# Altium PCB 400501.PcbDoc (part 2 of 4) (continued)
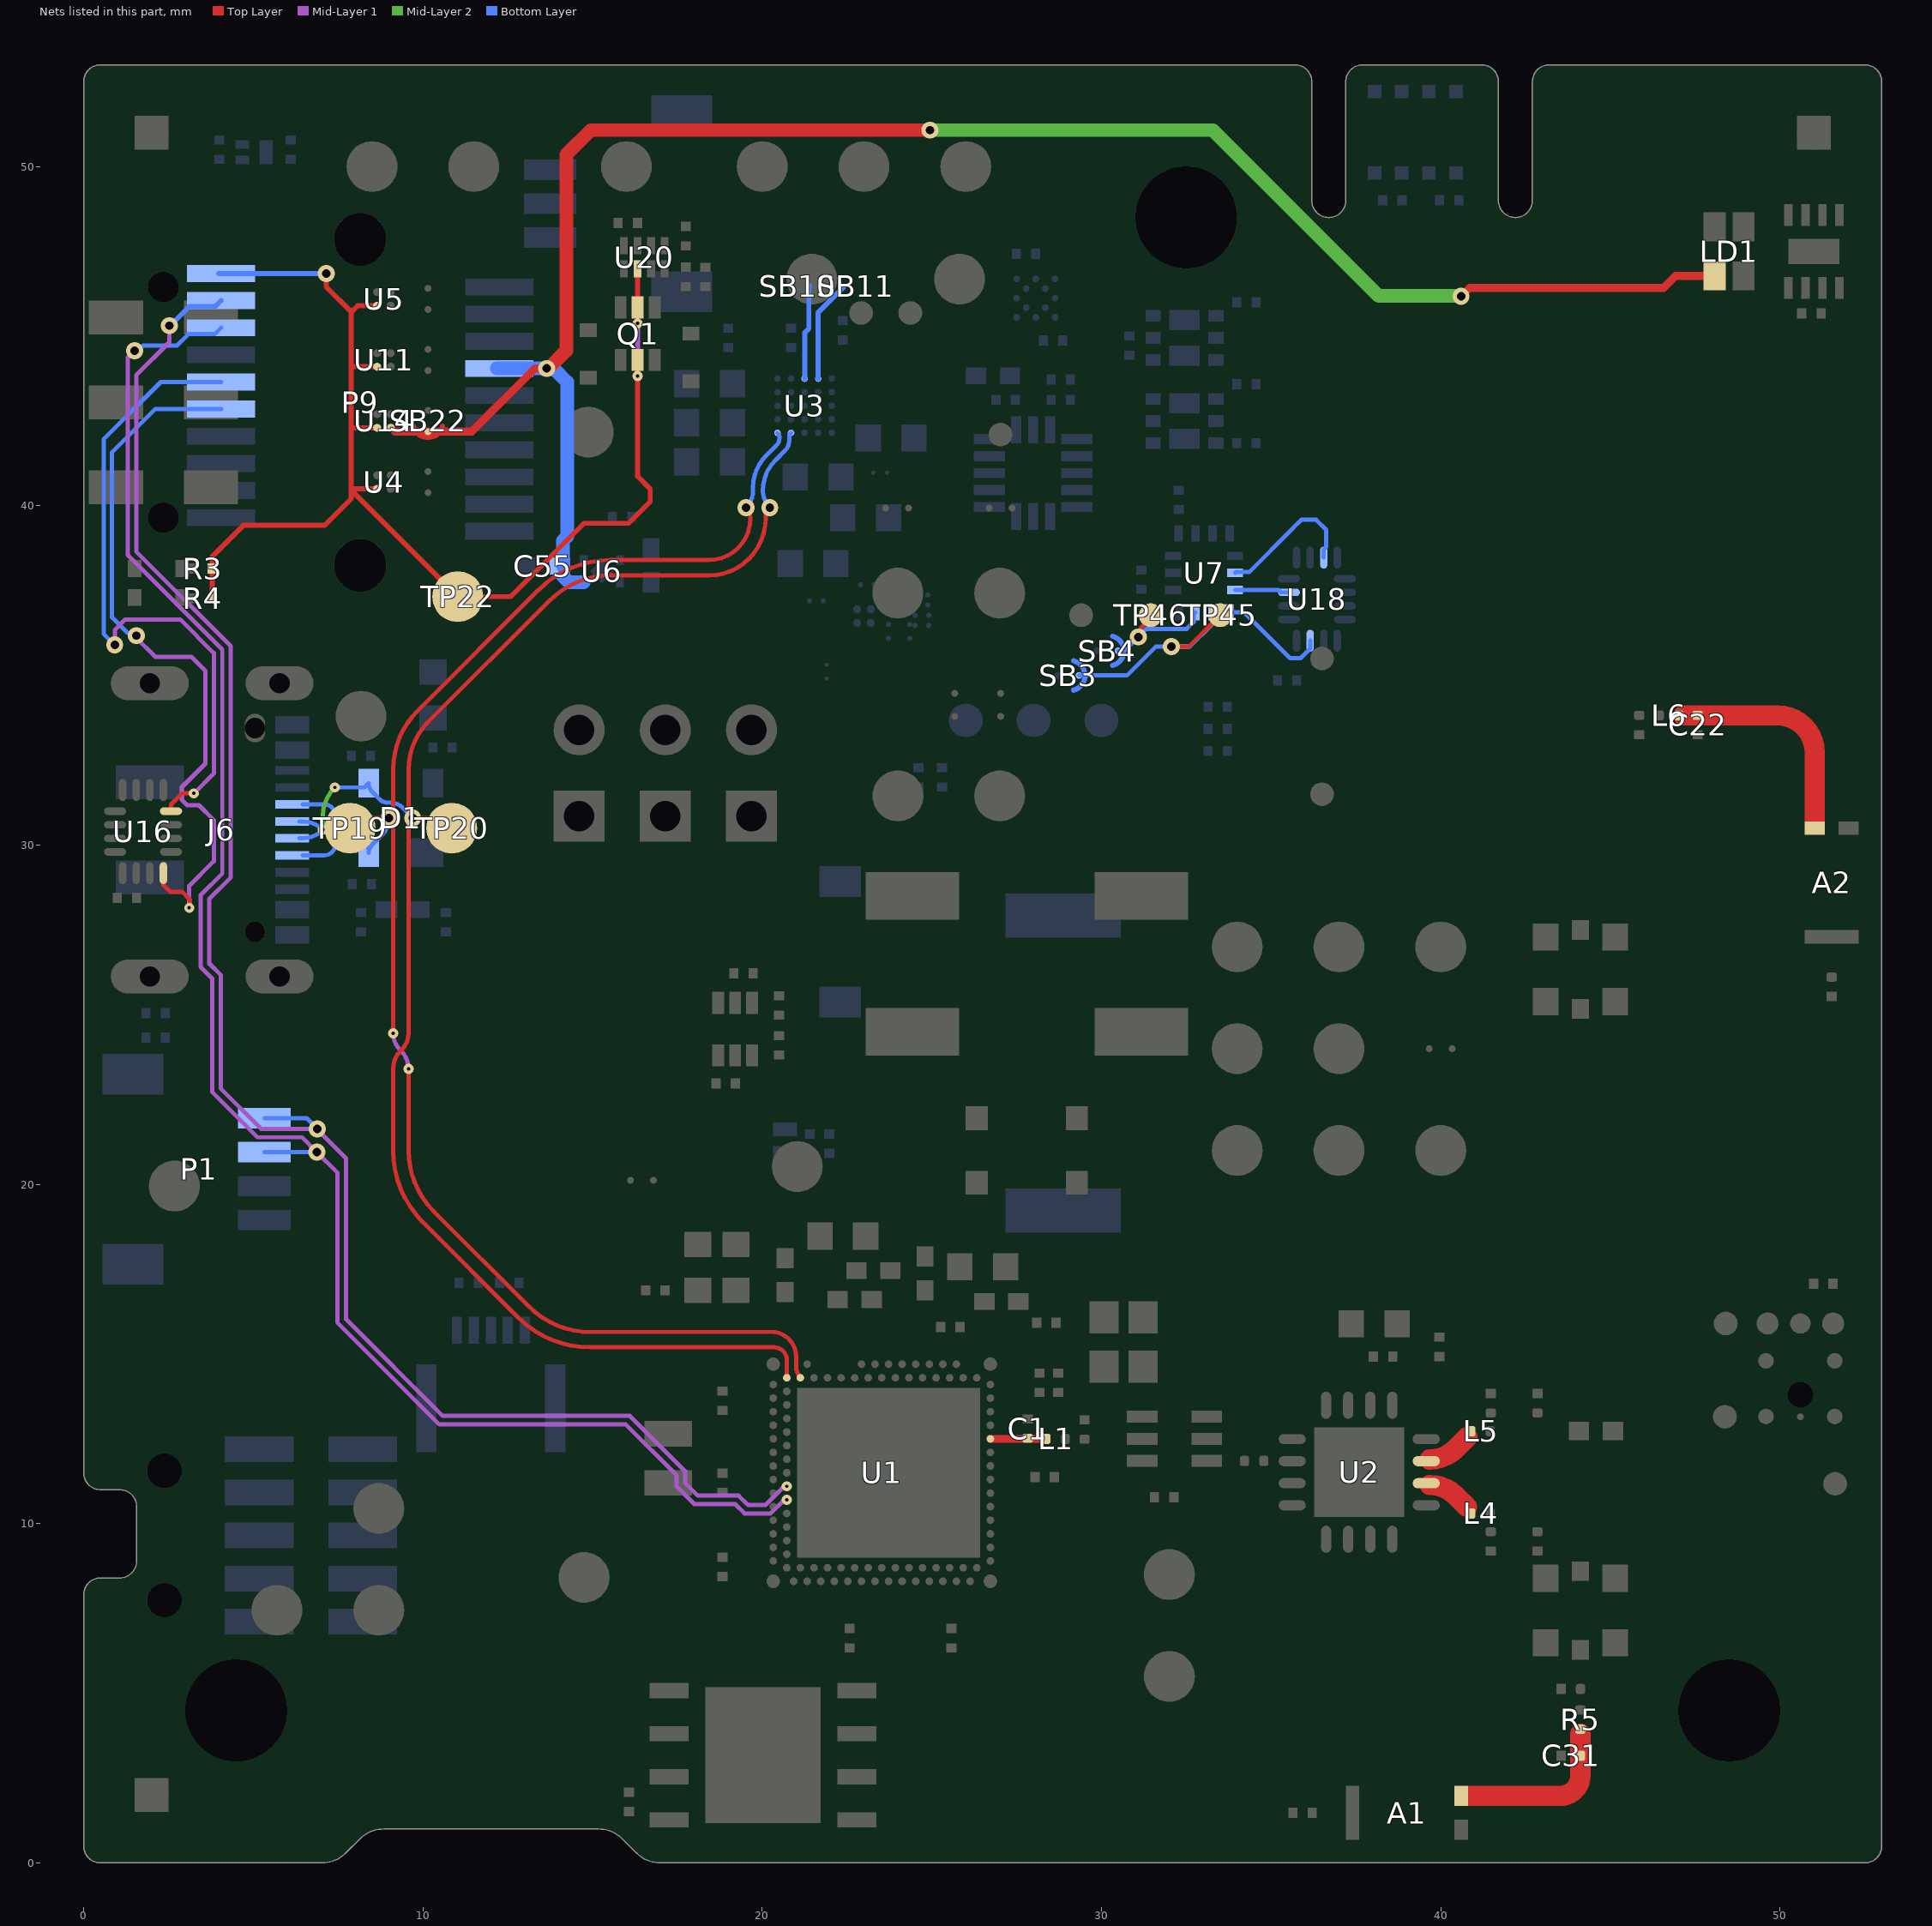
[diagram p4: the nets of this part, all layers, seen from the top]
## Part data (continued)
FB1: library part FB0402-120R@100M-500mA, "Ferrite Bead, 120 Ohm @ 100MHz, 500mA, 250 mOhm Max", Manufacturer=Murata, Manufacturer Part Number=BLM15AG121SN1D, Part number IPS=00000009954, Part number NEMS=100300099, Part number Norautron=265230631, Supplier Part Number 1=490-1005-1-ND, Artikkelnr Noca=33029317, Author=rsk, Component Class=Inductors, Component Status=Active, ComponentLink1Description=Datasheet, ComponentLink1URL=N.A., ComponentLink2Description="Supplier link", ComponentLink2URL=N.A., Footprint Doc=0402, HelpURL=http://search.murata.co.jp/Ceramy/image/img/PDF/ENG/L0110S0100BLM15A_SN.pdf, LatestRevisionDate=2014-01-10, Note="Chip EMIFIL Inductor Type Chip Ferrite Bead", Pad Count=2, Part Number=FB0402-120R@100M-500mA, PartId=100300099, Published=2011-11-14, Supplier 1=Digi-Key, Supplier 2=Farnell, Supplier Part Number 2=151-5760
Fid1 Fid2 Fid3: library part Fid-Mark-Round-Square, "Fiducial Mark", Manufacturer=N.A., Part number NEMS=100500075, Artikkelnr Noca=N.A., Author=rsk, Component Class=Connectors, Component Status=Active, ComponentLink1Description=Datasheet, ComponentLink1URL=N.A., ComponentLink2Description="Supplier link", ComponentLink2URL=N.A., Footprint Doc=Fiducial, HelpURL=N.A., LatestRevisionDate=2017-01-30, Manufacturer Part Number=N.A., Note=N.A., Pad Count=1, Part Number=Fid-Mark-Round-Square, Part number IPS=N.A., Part number Norautron=N.A., PartId=100500075, Published=2009-12-12, Supplier 1=N.A., Supplier 2=N.A., Supplier Part Number 1=N.A., Supplier Part Number 2=N.A., System=Connector
H1 H2 H3: library part Hole_3MM_NP, "Regular Non-Plated, 3mm hole", Manufacturer="Nordic Semiconductor", Manufacturer Part Number=N.A., Part number NEMS=100500145, Artikkelnr Noca=N.A., Author=rsk, Component Class=Connectors, Component Status=Active, ComponentLink1Description=Datasheet, ComponentLink1URL=N.A., ComponentLink2Description="Supplier link", ComponentLink2URL=N.A., Footprint Doc=Hole_3MM_NP, HelpURL=N.A., LatestRevisionDate=2009-12-12, Note="Regular Non-Plated, 3mm hole", Pad Count=1, Part Number=Hole_3MM_NP, Part number IPS=N.A., Part number Norautron=N.A., PartId=100500145, Published=2009-12-12, Supplier 1=N.A., Supplier 2=N.A., Supplier Part Number 1=N.A., Supplier Part Number 2=N.A., System=Connector
J1 J2: "Coaxial Connector with Switch", Manufacturer=Murata, Part number IPS=00000009955, Part number NEMS=100500400, Part number Norautron=26030338, Supplier Part Number 1=490-4981-1-ND, Artikkelnr Noca=55029011, Author=rsk, Component Class=Connectors, Component Status=Active, ComponentLink1Description=Datasheet, ComponentLink1URL=N.A., ComponentLink2Description="Supplier link", ComponentLink2URL=N.A., Footprint Doc=COAXIAL-SWF, HelpURL=http://www.murata.com/products/catalog/pdf/o33e.pdf, LatestRevisionDate=2014-04-24, Manufacturer Part Number=MM8130-2600, Note=N.A., Pad Count=3, Part Number=MM8130-2600, PartId=100500400, Published=2014-04-24, Supplier 1=Digi-Key, Supplier 2=Mouser, Supplier Part Number 2=81-MM8130-2600RA2, System=Connector
J3: library part SM03B-SRSS-TB, "1.0mm pitch connector side entry SMD", Manufacturer="JST Sales America Inc.", Manufacturer Part Number=SM03B-SRSS-TB(LF)(SN), Part number IPS=00000001785, Part number NEMS=100500605, Part number Norautron=26032360, Artikkelnr Noca=N.A., Author=rsk, Component Class=Connectors, Component Status=Active, ComponentLink1Description=Datasheet, ComponentLink1URL=N.A., ComponentLink2Description="Supplier link", ComponentLink2URL=N.A., Footprint Doc=SM03B-SRSS-TB, HelpURL=http://www.jst-mfg.com/product/pdf/eng/eSH.pdf, LatestRevisionDate=2017-10-09, Note="JST, Header", Pad Count=3, Part Number=SM03B-SRSS-TB, PartId=100500605, Published=2017-10-09, Supplier 1=Cabcon, Supplier 2=Digi-Key, Supplier Part Number 1=SM03B-SRSS-TB(LF)(SN), Supplier Part Number 2=455-1803-1-ND, System=Connector
J4 ST1 ST2 ST3 ST4 ST5 ST6 ST7 ST8 ST9: library part "2 pin starpoint", "Starpoint", Manufacturer=N.A., Part number NEMS=100500603, Artikkelnr Noca=N.A., Author=rsk, Component Class=Connectors, Component Status=Active, ComponentLink1Description=Datasheet, ComponentLink1URL=N.A., ComponentLink2Description="Supplier link", ComponentLink2URL=N.A., Footprint Doc=N.A., HelpURL=N.A., LatestRevisionDate=2017-08-31, Manufacturer Part Number=N.A., Note="Net tie", Pad Count=2, Part Number="2 pin starpoint", Part number IPS=N.A., Part number Norautron=N.A., PartId=100500603, Published=2017-08-31, Supplier 1=N.A., Supplier 2=N.A., Supplier Part Number 1=N.A., Supplier Part Number 2=N.A., System=Connector
J5: library part FPC_05P-0.5mm-RA-SMD, "0.5mm FPC, 5P,Right Angle SMT,Double Contact,H=1.2mm,White, Tin plated", Manufacturer=W-CON, Manufacturer Part Number=5141-05RZDNWR02, Part number IPS=00000007792, Part number NEMS=100500528, Part number Norautron=26032377, Artikkelnr Noca=55010020, Author=rsk, Component Class=Connectors, Component Status=Active, ComponentLink1Description=Datasheet, ComponentLink1URL=N.A., ComponentLink2Description="Supplier link", ComponentLink2URL=N.A., Footprint Doc=FPC_05P-0.5mm-RA-SMD, HelpURL=\\hizz\pro\app9717\Datasheet\connectors\W-CON\5141-05RZDNXX02.pdf, LatestRevisionDate=2021-09-24, Note=N.A., Pad Count=7, Part Number=FPC_05P-0.5mm-RA-SMD, PartId=100500528, Published=2015-06-22, Supplier 1=Cabcon, Supplier 2=Digi-Key, Supplier Part Number 1=5141-05RZDNWR02, Supplier Part Number 2=WM9836CT-ND, System=Connector
J6: library part DX07S016JA3R1500, "USB-C Receptacle, 16 Pin, USB 2.0", Manufacturer="JAE Electronics", Part number IPS=N.A., Part number NEMS=100500670, Part number Norautron=26470007, Supplier Part Number 1=670-DX07S016JA3R1500CT-ND, Artikkelnr Noca=N.A., Author=rsk, Component Class=Connectors, Component Status=Active, ComponentLink1Description=Datasheet, ComponentLink1URL=N.A., ComponentLink2Description="Supplier link", ComponentLink2URL=N.A., Footprint Doc=DX07S016JA1R1500, HelpURL=https://www.jae.com/en/connectors/series/detail/product/id=91780, LatestRevisionDate=2020-05-06, Manufacturer Part Number=DX07S016JA3R1500, Note=N.A., Pad Count=16, Part Number=DX07S016JA3R1500, PartId=100500670, Published=2020-05-06, Supplier 1=Digi-Key, Supplier 2=Mouser, Supplier Part Number 2=656-DX07S016JA3R1500, System=Connector
L1: library part L0201-2n2-HQ-Murata, "Inductor, 600mA, ±0.1ｎH, 120mOhm", Manufacturer=Murata, Manufacturer Part Number=LQP03HQ2N2B02, Part number IPS=N.A., Part number NEMS=100300209, Part number Norautron=26521773, Supplier Part Number 1=490-13899-1-ND, Artikkelnr Noca=N.A., Author=rsk, Component Class=Inductors, Component Status=Active, ComponentLink1Description=Datasheet, ComponentLink1URL=https://search.murata.co.jp/Ceramy/image/img/P02/JELF243C-0021.pdf, ComponentLink2Description="Supplier link", ComponentLink2URL=N.A., Footprint Doc=0201, HelpURL=https://psearch.en.murata.com/inductor/product/LQP03HQ2N2B02%23.html, LatestRevisionDate=2018-10-23, Note="-55°C ~ 125°C", Pad Count=2, Part Number=L0201-2n2-HQ-Murata, PartId=100300209, Published=2018-10-23, Supplier 1=Digi-Key, Supplier 2=N.A., Supplier Part Number 2=N.A.
L2 L3: library part L0603-10µ-Murata-DN, "Inductor, 100mA, ±20%, 1.05Ohm", Manufacturer=Murata, Manufacturer Part Number=LQM18DN100M70L, Part number IPS=N.A., Part number NEMS=100300403, Supplier Part Number 1=490-LQM18DN100M70LCT-ND, Artikkelnr Noca=N.A., Author=rubr, Component Class=Inductors, Component Status=Active, ComponentLink1Description=Datasheet, ComponentLink1URL=https://search.murata.co.jp/Ceramy/image/img/P02/JELF243B-0086.pdf, ComponentLink2Description="Supplier link", ComponentLink2URL=https://www.digikey.com/en/products/detail/murata-electronics/LQM18DN100M70L/12476609, Footprint Doc=0603, HelpURL=https://www.murata.com/en-global/products/productdetail?partno=LQM18DN100M70%23, LatestRevisionDate=2021-04-27, Note="-55°C ~ 125°C", Pad Count=2, Part Number=L0603-10µ-Murata-DN, Part number Norautron=N.A., PartId=100300403, Published=2021-04-27, Supplier 1=Digi-Key, Supplier 2=N.A., Supplier Part Number 2=N.A.
L4 L5: library part L0201-1n9-HQ-Murata, "Inductor, 600mA, ±0.1ｎH, 120mOhm", Manufacturer=Murata, Manufacturer Part Number=LQP03HQ1N9B02, Part number IPS=00000004903, Part number NEMS=100300206, Part number Norautron=N.A., Supplier Part Number 1=490-13889-1-ND, Artikkelnr Noca=N.A., Author=rsk, Component Class=Inductors, Component Status=Active, ComponentLink1Description=Datasheet, ComponentLink1URL=https://search.murata.co.jp/Ceramy/image/img/P02/JELF243C-0021.pdf, ComponentLink2Description="Supplier link", ComponentLink2URL=N.A., Footprint Doc=0201, HelpURL=https://psearch.en.murata.com/inductor/product/LQP03HQ1N9B02%23.html, LatestRevisionDate=2018-10-23, Note="-55°C ~ 125°C", Pad Count=2, Part Number=L0201-1n9-HQ-Murata, PartId=100300206, Published=2018-10-23, Supplier 1=Digi-Key, Supplier 2=N.A., Supplier Part Number 2=N.A.
L6: library part L0201-1n8-HQ-Murata, "Inductor, 800mA, ±0.1ｎH, 80mOhm", Manufacturer=Murata, Manufacturer Part Number=LQP03HQ1N8B02, Part number IPS=N.A., Part number NEMS=100300205, Supplier Part Number 1=490-13887-1-ND, Artikkelnr Noca=N.A., Author=rsk, Component Class=Inductors, Component Status=Active, ComponentLink1Description=Datasheet, ComponentLink1URL=https://search.murata.co.jp/Ceramy/image/img/P02/JELF243C-0021.pdf, ComponentLink2Description="Supplier link", ComponentLink2URL=N.A., Footprint Doc=0201, HelpURL=https://psearch.en.murata.com/inductor/product/LQP03HQ1N8B02%23.html, LatestRevisionDate=2018-10-23, Note="-55°C ~ 125°C", Pad Count=2, Part Number=L0201-1n8-HQ-Murata, Part number Norautron=N.A., PartId=100300205, Published=2018-10-23, Supplier 1=Digi-Key, Supplier 2=N.A., Supplier Part Number 2=N.A.
L7: library part L0201-N.C., "Not mounted", Manufacturer=N.A., Part number NEMS=100300001, Artikkelnr Noca=N.A., Assembly="Not mounted", Author=rsk, Component Class=Inductors, Component Status=Active, ComponentLink1Description=Datasheet, ComponentLink1URL=N.A., ComponentLink2Description="Supplier link", ComponentLink2URL=N.A., Footprint Doc=0201, HelpURL=N.A., LatestRevisionDate=2013-04-10, Manufacturer Part Number=N.A., Note=N.A., Pad Count=2, Part Number=L0201-N.C., Part number IPS=N.A., Part number Norautron=N.A., PartId=100300001, Published=2013-04-10, Supplier 1=N.A., Supplier 2=N.A., Supplier Part Number 1=N.A., Supplier Part Number 2=N.A.
L11: library part L0603-2µ2-TY, "Inductor, 520mA, ±20%, 300mOhm", Manufacturer="Taiyo Yuden", Manufacturer Part Number=MBKK1608T2R2M, Part number IPS=N.A., Part number NEMS=100300404, Supplier Part Number 1=587-4150-1-ND, Artikkelnr Noca=N.A., Author=rubr, Component Class=Inductors, Component Status=Active, ComponentLink1Description=Datasheet, ComponentLink1URL=https://ds.yuden.co.jp/TYCOMPAS/ut/specSheet?pn=MBKK1608T2R2M++, ComponentLink2Description="Supplier link", ComponentLink2URL=https://www.digikey.com/en/products/detail/taiyo-yuden/MBKK1608T2R2M/5035129, Footprint Doc=0603, HelpURL=https://ds.yuden.co.jp/TYCOMPAS/ut/detail?pn=MBKK1608T2R2M&u=M, LatestRevisionDate=2021-04-27, Note="-40°C ~ 105°C", Pad Count=2, Part Number=L0603-2µ2-TY, Part number Norautron=N.A., PartId=100300404, Published=2021-04-27, Supplier 1=Digi-Key, Supplier 2=N.A., Supplier Part Number 2=N.A.
LABEL: library part Label_8x32, "PCA version label, stick-on, 8x32mm", Manufacturer="Ellco Etikett", Manufacturer Part Number=57382, Part number IPS=N.A., Part number NEMS=101200026, Artikkelnr Noca=N.A., Author=hany, Component Class=Mechanicals, Component Status=Active, ComponentLink1Description=Datasheet, ComponentLink1URL=N.A., ComponentLink2Description="Supplier link", ComponentLink2URL=N.A., Footprint Doc=Label, HelpURL=N.A., LatestRevisionDate=2023-01-05, Note=N.A., Pad Count=0, Part Number=Label_8x32, Part number Norautron=N.A., PartId=101200026, Published=2023-01-05, Supplier 1=N.A., Supplier 2=N.A., Supplier Part Number 1=N.A., Supplier Part Number 2=N.A.
LD1: library part LTST-C19HE1WT, "RGB LED 1.60 mm x 1.60 mm SMD", Manufacturer=LITEON, Part number IPS=00000007798, Part number NEMS=101400093, Part number Norautron=N.A., Supplier Part Number 1=160-2162-1-ND, Artikkelnr Noca=N.A., Author=rsk, Component Class=Optoelectronics, Component Status=Active, ComponentLink1Description=Datasheet, ComponentLink1URL=N.A., ComponentLink2Description="Supplier link", ComponentLink2URL=N.A., Footprint Doc=LED_RGB_0606, HelpURL=http://optoelectronics.liteon.com/upload/download/DS22-2008-0044/S_110_LTST-C19HE1WT.pdf, LatestRevisionDate=2016-09-23, Manufacturer Part Number=LTST-C19HE1WT, Note=N.A., Pad Count=4, Part Number=LTST-C19HE1WT, PartId=101400093, Published=2016-09-23, Supplier 1=Digi-Key, Supplier 2=Mouser, Supplier Part Number 2=859-LTST-C19HE1WT
P1: "JST SR/SH 1.0mm 4-pin", Manufacturer="JST Sales America Inc.", Part number IPS=N.A., Part number NEMS=100500540, Artikkelnr Noca=N.A., Author=rsk, Component Class=Connectors, Component Status=Active, ComponentLink1Description=Datasheet, ComponentLink1URL=N.A., ComponentLink2Description="Supplier link", ComponentLink2URL=N.A., Footprint Doc="JST SR/SH 1.0mm 4-pin", HelpURL=http://www.jst-mfg.com/product/pdf/eng/eSH.pdf, LatestRevisionDate=2020-09-01, Manufacturer Part Number=SM04B-SRSS-TB, Note=N.A., Pad Count=4, Part Number=SM04B-SRSS-TB, Part number Norautron=N.A., PartId=100500540, Published=2015-11-16, Supplier 1=Cabcon, Supplier 2=Digi-Key, Supplier Part Number 1=SM04B-SRSS-TB, Supplier Part Number 2=455-1804-1-ND, System=Connector
P3 P4 P5: library part "Pin List 1x2, N.C.", "Pin List 1x2, 2.54mm (100mil)", Manufacturer=N.A., Part number NEMS=100500298, Artikkelnr Noca=N.A., Assembly="Not mounted", Author=rsk, Component Class=Connectors, Component Status=Active, ComponentLink1Description=Datasheet, ComponentLink1URL=N.A., ComponentLink2Description="Supplier link", ComponentLink2URL=N.A., Footprint Doc=LIST_1x2, HelpURL=N.A., LatestRevisionDate=2017-02-02, Manufacturer Part Number=N.A., Note=N.A., Pad Count=2, Part Number="Pin List 1x2, N.C.", Part number IPS=N.A., Part number Norautron=N.A., PartId=100500298, Published=2017-01-30, Supplier 1=N.A., Supplier 2=N.A., Supplier Part Number 1=N.A., Supplier Part Number 2=N.A., System=Connector
P8: library part "Pin Header 2x5 SMD, 1.27mm, Angled", "Pin Header 2x5, 1.27mm (50mil)", Manufacturer=W-CON, Manufacturer Part Number=1325B-1205S0Z080CR02, Part number IPS=00000007800, Part number NEMS=100500257, Part number Norautron=26470011, Artikkelnr Noca=N.A., Author=rsk, Component Class=Connectors, Component Status=Active, ComponentLink1Description=Datasheet, ComponentLink1URL=N.A., ComponentLink2Description="Supplier link", ComponentLink2URL=N.A., Footprint Doc=HDR_2x5-SMD-1.27mm-ANG, HelpURL=\\hizz\pro\app9717\Datasheet\connectors\W-CON\1325B-12XXXXZXXXCXXX.pdf, LatestRevisionDate=2019-11-20, Note=N.A., Pad Count=10, Part Number="Pin Header 2x5 SMD, 1.27mm, Angled", PartId=100500257, Published=2014-01-22, Supplier 1=Cabcon, Supplier 2=Samtec, Supplier Part Number 1=1325B-1205S0Z080CR02, Supplier Part Number 2=FTSH-105-01-L-DH-A-C-TR, System=Connector
P9: library part 10056847-101LF, "0.8mm pitch, dual edge, right angle, SMD, card edge connector", Manufacturer=FCI, Part number IPS=N.A., Part number NEMS=100500633, Supplier Part Number 1=609-4943-1-ND, Artikkelnr Noca=N.A., Author=rsk, Component Class=Connectors, Component Status=Active, ComponentLink1Description=Datasheet, ComponentLink1URL=https://www.amphenol-icc.com/media/wysiwyg/files/drawing/10056847.pdf, ComponentLink2Description="Supplier link", ComponentLink2URL=N.A., Footprint Doc=10056847-101LF, HelpURL=N.A., LatestRevisionDate=2018-05-07, Manufacturer Part Number=10056847-101LF, Note=N.A., Pad Count=20, Part Number=10056847-101LF, Part number Norautron=N.A., PartId=100500633, Published=2018-05-07, Supplier 1=Digi-Key, Supplier 2=N.A., Supplier Part Number 2=N.A., System=Connector
Q1: library part DMP2004VK-7, "Dual 2 P-Channel MOSFET, 530mA, 900mOhm, 400mW, 20V", Manufacturer="Diodes Incorporated", Part number IPS=N.A., Part number NEMS=101300195, Supplier Part Number 1=DMP2004VKDICT-ND, Artikkelnr Noca=N.A., Author=rubr, Component Class=Semiconductors, Component Status=Active, ComponentLink1Description=Datasheet, ComponentLink1URL=https://www.diodes.com/assets/Datasheets/ds30916.pdf, ComponentLink2Description="Supplier link", ComponentLink2URL=https://www.digikey.com/en/products/detail/diodes-incorporated/DMP2004VK-7/1774202, Footprint Doc=SOT-563, HelpURL=https://www.diodes.com/part/view/DMP2004VK/, LatestRevisionDate=2022-09-08, Manufacturer Part Number=DMP2004VK-7, Note=N.A., Pad Count=6, Part Number=DMP2004VK-7, Part number Norautron=N.A., PartId=101300195, Published=2022-09-08, Supplier 1=Digi-Key, Supplier 2=N.A., Supplier Part Number 2=N.A.
Q3 Q4: "Dual N Ch MOFET, 5.6A, 29mOhm @ 5A, 4.5V, 1.4W", Manufacturer="Diodes Incorporated", Manufacturer Part Number=DMN1029UFDB-7, Part number IPS=N.A., Part number NEMS=101300175, Supplier Part Number 1=DMN1029UFDB-7DICT-ND, Artikkelnr Noca=N.A., Author=rsk, Component Class=Semiconductors, Component Status=Active, ComponentLink1Description=Datasheet, ComponentLink1URL=https://www.diodes.com/assets/Datasheets/DMN1029UFDB.pdf, ComponentLink2Description="Supplier link", ComponentLink2URL=N.A., Footprint Doc=DFN-6, HelpURL=https://www.diodes.com/assets/Datasheets/DMN1029UFDB.pdf, LatestRevisionDate=2020-04-29, Note=N.A., Pad Count=6, Part Number=DMN1029UFDB, Part number Norautron=N.A., PartId=101300175, Published=2020-04-29, Supplier 1=Digi-Key, Supplier 2=Mouser, Supplier Part Number 2=621-DMN1029UFDB-7
Q5 Q8: "N-Channel MOSFET, 20V, 1A, 470mOhm, 400mW", Manufacturer="Rohm Semiconductor", Part number IPS=00000009976, Part number NEMS=101300132, Part number Norautron=26320026, Supplier Part Number 1=RV2C010UNT2LCT-ND, Artikkelnr Noca=35010020, Author=rsk, Component Class=Semiconductors, Component Status=Active, ComponentLink1Description=Datasheet, ComponentLink1URL=N.A., ComponentLink2Description="Supplier link", ComponentLink2URL=N.A., Footprint Doc=DFN-3, HelpURL=http://rohmfs.rohm.com/en/products/databook/datasheet/discrete/transistor/mosfet/rv2c010unt2l-e.pdf, LatestRevisionDate=2016-08-09, Manufacturer Part Number=RV2C010UNT2L, Note=N.A., Pad Count=3, Part Number=RV2C010UNT2L, PartId=101300132, Published=2016-08-09, Supplier 1=Digi-Key, Supplier 2=Mouser, Supplier Part Number 2=755-RV2C010UNT2L
Q7: "Dual N & P Ch MOFET, 1.03A/0.7A, 480mOhm, 450mW", Manufacturer="Diodes Incorporated", Part number IPS=00000007803, Part number NEMS=101300117, Part number Norautron=N.A., Supplier Part Number 1=DMC2400UV-7DICT-ND, Artikkelnr Noca=N.A., Author=rsk, Component Class=Semiconductors, Component Status=Active, ComponentLink1Description=Datasheet, ComponentLink1URL=N.A., ComponentLink2Description="Supplier link", ComponentLink2URL=N.A., Footprint Doc=SOT-563, HelpURL=http://www.diodes.com/_files/datasheets/DMC2400UV.pdf, LatestRevisionDate=2016-01-18, Manufacturer Part Number=DMC2400UV, Note="Dual N & P Channel Digital FET", Pad Count=6, Part Number=DMC2400UV, PartId=101300117, Published=2016-01-18, Supplier 1=Digi-Key, Supplier 2=N.A., Supplier Part Number 2=N.A.
R1: library part R0201-2R2, "Resistor, ±1%, 0.05W", Manufacturer=N.A., Part number NEMS=100100006, Part number Norautron=26470029, Artikkelnr Noca=N.A., Author=rsk, Component Class=Resistors, Component Status=Active, ComponentLink1Description=Datasheet, ComponentLink1URL=N.A., ComponentLink2Description="Supplier link", ComponentLink2URL=N.A., Footprint Doc=0201, HelpURL=N.A., LatestRevisionDate=2014-11-13, Manufacturer Part Number=N.A., Note="Chip Res 1%", Pad Count=2, Part Number=R0201-2R2, Part number IPS=N.A., PartId=100100006, Published=2014-11-13, Supplier 1=N.A., Supplier 2=N.A., Supplier Part Number 1=N.A., Supplier Part Number 2=N.A.
R2: library part R0402-49R9_0.1%, "Resistor, ±1%, 0.063W", Manufacturer=Panasonic, Manufacturer Part Number=ERA-2AEB49R9X, Part number IPS=N.A., Part number NEMS=100100141, Supplier Part Number 1=P49.9DCCT-ND, Artikkelnr Noca=N.A., Author=rsk, Component Class=Resistors, Component Status=Active, ComponentLink1Description=Datasheet, ComponentLink1URL=N.A., ComponentLink2Description="Supplier link", ComponentLink2URL=N.A., Footprint Doc=0402, HelpURL=N.A., LatestRevisionDate=2017-08-15, Note="Chip Res 1%", Pad Count=2, Part Number=R0402-49R9_0.1%, Part number Norautron=N.A., PartId=100100141, Published=2017-08-15, Supplier 1=Digi-Key, Supplier 2=N.A., Supplier Part Number 2=N.A.
R3 R4: library part R0201-100k, "Resistor, ±1%, 0.05W", Manufacturer=N.A., Part number IPS=00000001419, Part number NEMS=100100080, Part number Norautron=26108487, Artikkelnr Noca=N.A., Author=rsk, Component Class=Resistors, Component Status=Active, ComponentLink1Description=Datasheet, ComponentLink1URL=N.A., ComponentLink2Description="Supplier link", ComponentLink2URL=N.A., Footprint Doc=0201, HelpURL=N.A., LatestRevisionDate=2014-11-13, Manufacturer Part Number=N.A., Note="Chip Res 1%", Pad Count=2, Part Number=R0201-100k, PartId=100100080, Published=2014-11-13, Supplier 1=N.A., Supplier 2=N.A., Supplier Part Number 1=N.A., Supplier Part Number 2=N.A.
R5 R31: library part R0201-0R, "Resistor, ±5%, 0.05W", Manufacturer=N.A., Part number IPS=00000003245, Part number NEMS=100100001, Artikkelnr Noca=N.A., Author=rsk, Component Class=Resistors, Component Status=Active, ComponentLink1Description=Datasheet, ComponentLink1URL=N.A., ComponentLink2Description="Supplier link", ComponentLink2URL=N.A., Footprint Doc=0201, HelpURL=N.A., LatestRevisionDate=2017-11-09, Manufacturer Part Number=N.A., Note="Chip Res 5%", Pad Count=2, Part Number=R0201-0R, Part number Norautron=N.A., PartId=100100001, Published=2014-11-13, Supplier 1=N.A., Supplier 2=N.A., Supplier Part Number 1=N.A., Supplier Part Number 2=N.A.
R6: library part R0201-33k, "Resistor, ±1%, 0.05W", Manufacturer=N.A., Part number IPS=00000001708, Part number NEMS=100100073, Artikkelnr Noca=N.A., Author=rsk, Component Class=Resistors, Component Status=Active, ComponentLink1Description=Datasheet, ComponentLink1URL=N.A., ComponentLink2Description="Supplier link", ComponentLink2URL=N.A., Footprint Doc=0201, HelpURL=N.A., LatestRevisionDate=2014-11-13, Manufacturer Part Number=N.A., Note="Chip Res 1%", Pad Count=2, Part Number=R0201-33k, Part number Norautron=N.A., PartId=100100073, Published=2014-11-13, Supplier 1=N.A., Supplier 2=N.A., Supplier Part Number 1=N.A., Supplier Part Number 2=N.A.
R7 R9 R24 R25 R26 R28 R29 R44 R45 R46: library part R0201-1M0, "Resistor, ±1%, 0.05W", Manufacturer=N.A., Part number IPS=00000001418, Part number NEMS=100100093, Part number Norautron=26107108, Artikkelnr Noca=N.A., Author=rsk, Component Class=Resistors, Component Status=Active, ComponentLink1Description=Datasheet, ComponentLink1URL=N.A., ComponentLink2Description="Supplier link", ComponentLink2URL=N.A., Footprint Doc=0201, HelpURL=N.A., LatestRevisionDate=2014-11-13, Manufacturer Part Number=N.A., Note="Chip Res 1%", Pad Count=2, Part Number=R0201-1M0, PartId=100100093, Published=2014-11-13, Supplier 1=N.A., Supplier 2=N.A., Supplier Part Number 1=N.A., Supplier Part Number 2=N.A.
R8: library part R0201-110k, "Resistor, ±1%, 0.05W", Manufacturer=N.A., Part number NEMS=100100570, Artikkelnr Noca=N.A., Author=rsk, Component Class=Resistors, Component Status=Active, ComponentLink1Description=Datasheet, ComponentLink1URL=N.A., ComponentLink2Description="Supplier link", ComponentLink2URL=N.A., Footprint Doc=0201, HelpURL=N.A., LatestRevisionDate=2016-12-01, Manufacturer Part Number=N.A., Note="Chip Res 1%", Pad Count=2, Part Number=R0201-110k, Part number IPS=N.A., Part number Norautron=N.A., PartId=100100570, Published=2016-12-01, Supplier 1=N.A., Supplier 2=N.A., Supplier Part Number 1=N.A., Supplier Part Number 2=N.A.
R10 R18 R21 R47: library part R0201-1k0, "Resistor, ±1%, 0.05W", Manufacturer=N.A., Part number IPS=00000005786, Part number NEMS=100100043, Artikkelnr Noca=N.A., Author=rsk, Component Class=Resistors, Component Status=Active, ComponentLink1Description=Datasheet, ComponentLink1URL=N.A., ComponentLink2Description="Supplier link", ComponentLink2URL=N.A., Footprint Doc=0201, HelpURL=N.A., LatestRevisionDate=2014-11-13, Manufacturer Part Number=N.A., Note="Chip Res 1%", Pad Count=2, Part Number=R0201-1k0, Part number Norautron=N.A., PartId=100100043, Published=2014-11-13, Supplier 1=N.A., Supplier 2=N.A., Supplier Part Number 1=N.A., Supplier Part Number 2=N.A.
R11: library part R0201-1M5, "Resistor, ±1%, 0.05W", Manufacturer=N.A., Part number NEMS=100100095, Artikkelnr Noca=N.A., Author=rsk, Component Class=Resistors, Component Status=Active, ComponentLink1Description=Datasheet, ComponentLink1URL=N.A., ComponentLink2Description="Supplier link", ComponentLink2URL=N.A., Footprint Doc=0201, HelpURL=N.A., LatestRevisionDate=2014-11-13, Manufacturer Part Number=N.A., Note="Chip Res 1%", Pad Count=2, Part Number=R0201-1M5, Part number IPS=N.A., Part number Norautron=N.A., PartId=100100095, Published=2014-11-13, Supplier 1=N.A., Supplier 2=N.A., Supplier Part Number 1=N.A., Supplier Part Number 2=N.A.
R12: library part R0201-100, "Resistor, ±1%, 0.05W", Manufacturer=N.A., Part number IPS=00000001794, Part number NEMS=100100027, Part number Norautron=26107004, Artikkelnr Noca=N.A., Author=rsk, Component Class=Resistors, Component Status=Active, ComponentLink1Description=Datasheet, ComponentLink1URL=N.A., ComponentLink2Description="Supplier link", ComponentLink2URL=N.A., Footprint Doc=0201, HelpURL=N.A., LatestRevisionDate=2014-11-13, Manufacturer Part Number=N.A., Note="Chip Res 1%", Pad Count=2, Part Number=R0201-100, PartId=100100027, Published=2014-11-13, Supplier 1=N.A., Supplier 2=N.A., Supplier Part Number 1=N.A., Supplier Part Number 2=N.A.
R13 R14: library part R0201-39R, "Resistor, ±1%, 0.05W", Manufacturer=N.A., Part number IPS=00000001704, Part number NEMS=100100021, Artikkelnr Noca=N.A., Author=rsk, Component Class=Resistors, Component Status=Active, ComponentLink1Description=Datasheet, ComponentLink1URL=N.A., ComponentLink2Description="Supplier link", ComponentLink2URL=N.A., Footprint Doc=0201, HelpURL=N.A., LatestRevisionDate=2014-11-13, Manufacturer Part Number=N.A., Note="Chip Res 1%", Pad Count=2, Part Number=R0201-39R, Part number Norautron=N.A., PartId=100100021, Published=2014-11-13, Supplier 1=N.A., Supplier 2=N.A., Supplier Part Number 1=N.A., Supplier Part Number 2=N.A.
R15: library part R0201-180k, "Resistor, ±1%, 0.05W", Manufacturer=N.A., Part number IPS=00000004797, Part number NEMS=100100083, Artikkelnr Noca=N.A., Author=rsk, Component Class=Resistors, Component Status=Active, ComponentLink1Description=Datasheet, ComponentLink1URL=N.A., ComponentLink2Description="Supplier link", ComponentLink2URL=N.A., Footprint Doc=0201, HelpURL=N.A., LatestRevisionDate=2014-11-13, Manufacturer Part Number=N.A., Note="Chip Res 1%", Pad Count=2, Part Number=R0201-180k, Part number Norautron=N.A., PartId=100100083, Published=2014-11-13, Supplier 1=N.A., Supplier 2=N.A., Supplier Part Number 1=N.A., Supplier Part Number 2=N.A.
R16 R27: library part R0201-5k1, "Resistor, ±1%, 0.05W", Manufacturer=N.A., Part number NEMS=100100565, Part number Norautron=26192285, Artikkelnr Noca=N.A., Author=rsk, Component Class=Resistors, Component Status=Active, ComponentLink1Description=Datasheet, ComponentLink1URL=N.A., ComponentLink2Description="Supplier link", ComponentLink2URL=N.A., Footprint Doc=0201, HelpURL=N.A., LatestRevisionDate=2016-04-20, Manufacturer Part Number=N.A., Note="Chip Res 1%", Pad Count=2, Part Number=R0201-5k1, Part number IPS=N.A., PartId=100100565, Published=2016-04-20, Supplier 1=N.A., Supplier 2=N.A., Supplier Part Number 1=N.A., Supplier Part Number 2=N.A.
R19: library part R0201-160k, "Resistor, ±1%, 0.05W", Manufacturer=N.A., Part number NEMS=100100657, Artikkelnr Noca=N.A., Author=hany, Component Class=Resistors, Component Status=Active, ComponentLink1Description=Datasheet, ComponentLink1URL=N.A., ComponentLink2Description="Supplier link", ComponentLink2URL=N.A., Footprint Doc=0201, HelpURL=N.A., LatestRevisionDate=2022-03-28, Manufacturer Part Number=N.A., Note="Chip Res 1%", Pad Count=2, Part Number=R0201-160k, Part number IPS=N.A., Part number Norautron=N.A., PartId=100100657, Published=2022-03-28, Supplier 1=N.A., Supplier 2=N.A., Supplier Part Number 1=N.A., Supplier Part Number 2=N.A.
R20: library part R0201-82k, "Resistor, ±1%, 0.05W", Manufacturer=N.A., Part number IPS=00000004801, Part number NEMS=100100079, Artikkelnr Noca=N.A., Author=rsk, Component Class=Resistors, Component Status=Active, ComponentLink1Description=Datasheet, ComponentLink1URL=N.A., ComponentLink2Description="Supplier link", ComponentLink2URL=N.A., Footprint Doc=0201, HelpURL=N.A., LatestRevisionDate=2014-11-13, Manufacturer Part Number=N.A., Note="Chip Res 1%", Pad Count=2, Part Number=R0201-82k, Part number Norautron=N.A., PartId=100100079, Published=2014-11-13, Supplier 1=N.A., Supplier 2=N.A., Supplier Part Number 1=N.A., Supplier Part Number 2=N.A.
R22 R23: library part R0201-4k7, "Resistor, ±1%, 0.05W", Manufacturer=N.A., Part number IPS=00000001706, Part number NEMS=100100061, Artikkelnr Noca=N.A., Author=rsk, Component Class=Resistors, Component Status=Active, ComponentLink1Description=Datasheet, ComponentLink1URL=N.A., ComponentLink2Description="Supplier link", ComponentLink2URL=N.A., Footprint Doc=0201, HelpURL=N.A., LatestRevisionDate=2014-11-13, Manufacturer Part Number=N.A., Note="Chip Res 1%", Pad Count=2, Part Number=R0201-4k7, Part number Norautron=N.A., PartId=100100061, Published=2014-11-13, Supplier 1=N.A., Supplier 2=N.A., Supplier Part Number 1=N.A., Supplier Part Number 2=N.A.
R30: library part R0201-N.C., "Not mounted", Manufacturer=N.A., Part number NEMS=100100107, Artikkelnr Noca=N.A., Assembly="Not mounted", Author=rsk, Component Class=Resistors, Component Status=Active, ComponentLink1Description=Datasheet, ComponentLink1URL=N.A., ComponentLink2Description="Supplier link", ComponentLink2URL=N.A., Footprint Doc=0201, HelpURL=N.A., LatestRevisionDate=2014-11-13, Manufacturer Part Number=N.A., Note="Chip Res", Pad Count=2, Part Number=R0201-N.C., Part number IPS=N.A., Part number Norautron=N.A., PartId=100100107, Published=2014-11-13, Supplier 1=N.A., Supplier 2=N.A., Supplier Part Number 1=N.A., Supplier Part Number 2=N.A.